# Altium PCB relflow_bed.PcbDoc (continued)
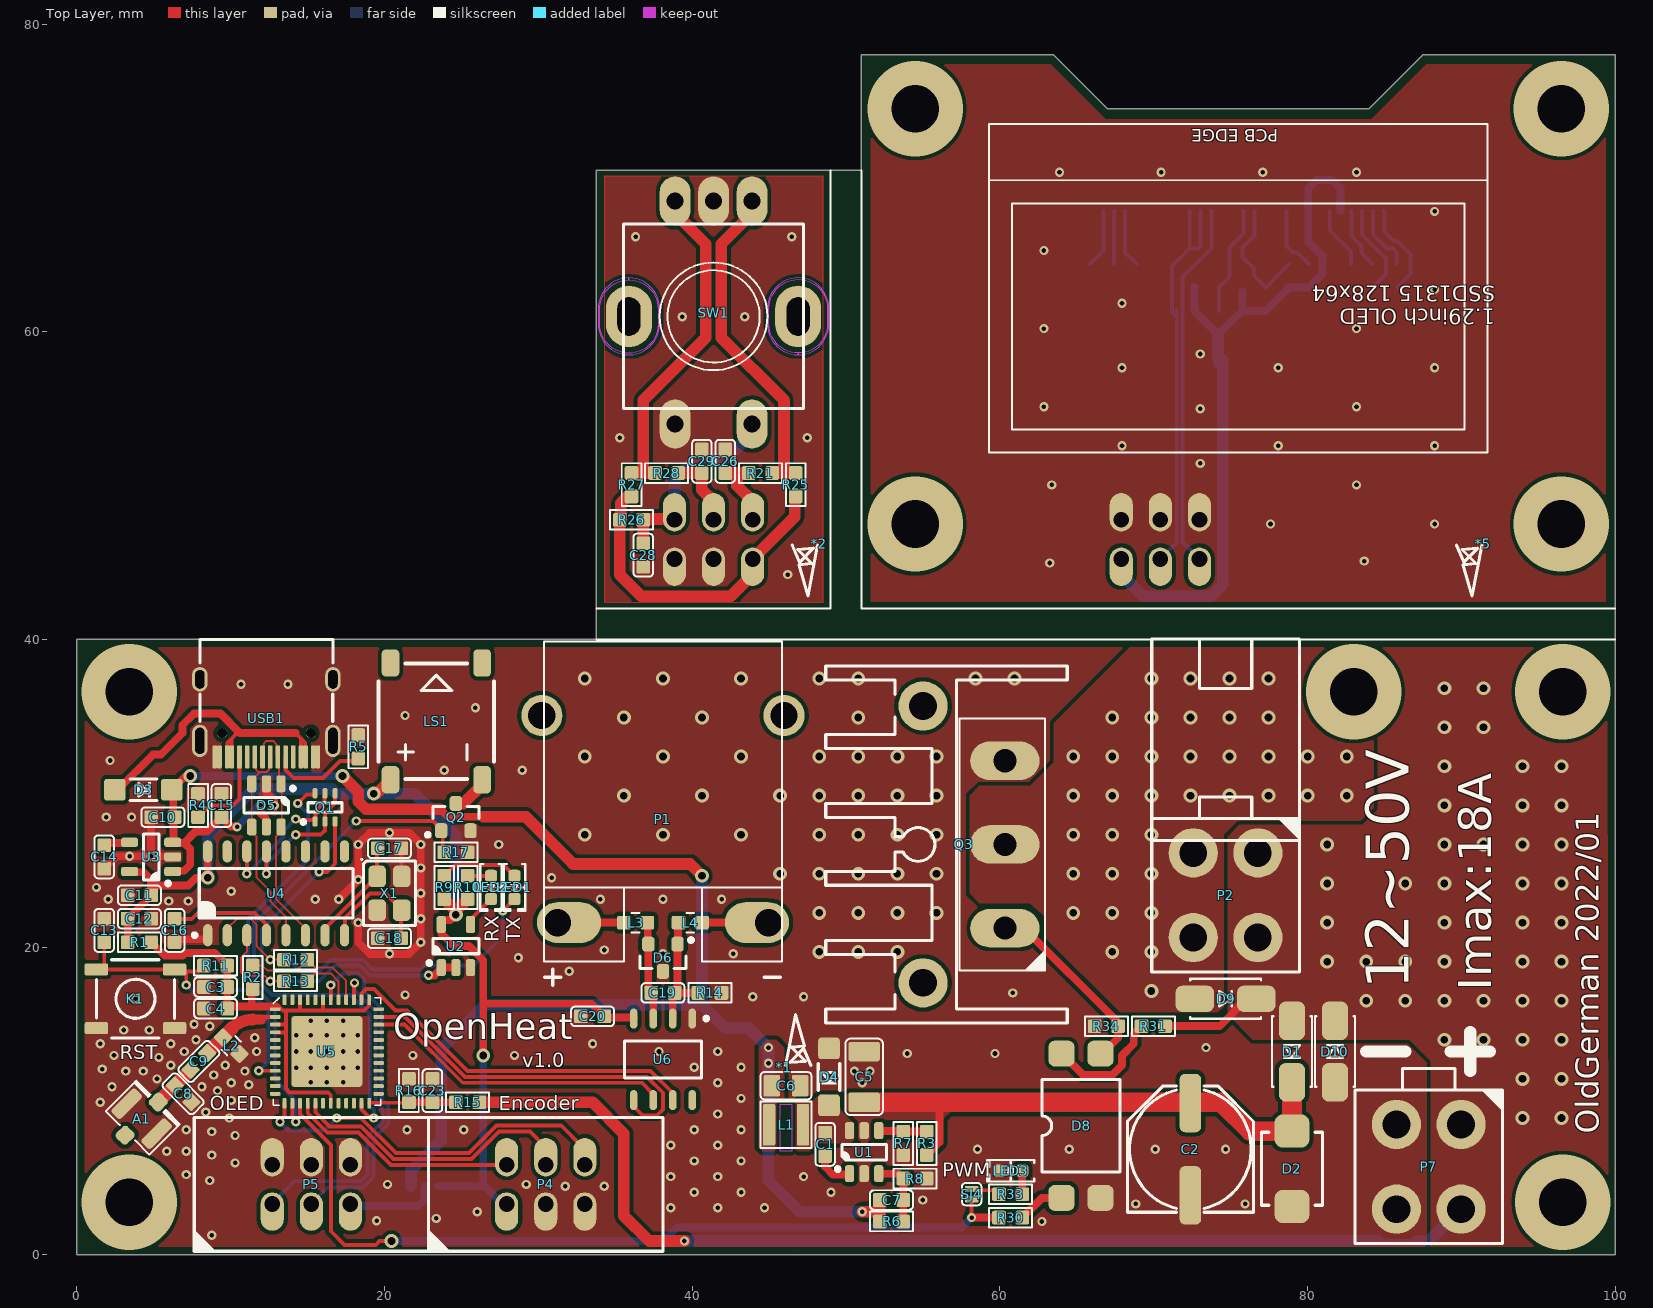
[diagram p0: Top Layer view]
## Footprints (in the part's own frame and the unit in brackets; to place one, negate y for a bottom-side part, rotate by r counter-clockwise, add the part's x,y. Pads: shape width x height; smd on the part's side, far side on the other; paste and mask are expansions set on the pad) (continued)
SMAF [mm]
  rrect50% 2.5x1.7 smd: 1(2,0) 2(-2,0)
  silkscreen extent -2.3,-1.3 2.3,1.3, body extent -2.6,-1.35 2.6,1.4, height 2.4
SO-8 [mm]
  oval 1.3x0.5 smd: 1(-2.65,1.905) 2(-2.65,0.635) 3(-2.65,-0.635) 4(-2.65,-1.905) 5(2.65,-1.905) 6(2.65,-0.635) 7(2.65,0.635) 8(2.65,1.905)
  silkscreen extent -2.77,-2.5 1.2,2.93, body extent -2.89,-2.44 2.89,2.46, height 1.45
SOD-123 [mm]
  rrect25% 1.4x1.4 smd: 1(-1.85,0) 2(1.85,0)
  silkscreen extent -0.87,-0.7 0.87,0.7, body extent -1.86,-0.78 1.86,0.77, height 1.35
SOD-323 [mm]
  rrect25% 0.9x0.8 smd: 1(-1.15,0) 2(1.15,0)
  silkscreen extent -1,-0.7 1,0.7, body extent -1.36,-0.62 1.36,0.63, height 1.05
TACTILE_SWITCH_SMD_4X4MM [mil]
  rrect25% 60x30 smd: 1(-100,75) 2(100,75) 3(-100,-75) 4(100,-75)
  silkscreen extent -100,-100 100,100, body extent -128,-100 128,100, height 60
"TI SOP-16 D" [mm] "SOP, 16-Leads, Body 9.90x3.90mm, Pitch 1.27mm, IPC Medium Density"
  oval 1.45x0.6 smd: 1(-2.725,4.445) 2(-2.725,3.175) 3(-2.725,1.905) 4(-2.725,0.635) 5(-2.725,-0.635) 6(-2.725,-1.905) 7(-2.725,-3.175) 8(-2.725,-4.445) 9(2.725,-4.445) 10(2.725,-3.175) 11(2.725,-1.905) 12(2.725,-0.635) 13(2.725,0.635) 14(2.725,1.905) 15(2.725,3.175) 16(2.725,4.445)
  silkscreen extent -2.85,-5 1.6,5.42, body extent -3,-5 3,5, height 1.75
TO-247AC+HEAT_SINK-TO220 [mm]
  oval 2.5x4.5 hole 1.5: D(0,-2.94) G(-5.44,-2.94) S(5.44,-2.94)
  round 3.2 hole 1.8: NC(9,2.375) NC_1(-9,2.375)
  silkscreen extent -11.6,-7 11.6,8.7, body extent -11.6,-7 11.6,8.7, height 25.27
TYPE-C-TOP [mm]
  round 0.65 hole 0.65: 0(-6.1,-2.89) 0_1(-6.1,2.89)
  oval 1.6x1 hole 0.6 slot 1.2 at 0 deg: 1(-2.6,4.325) 2(-2.6,-4.325)
  oval 2.1x1 hole 0.6 slot 1.7 at 0 deg: 3(-6.6,-4.325) 4(-6.6,4.325)
  rrect50% 1.5x0.3 smd: A1(-7.64,-3.35) A4(-7.64,-2.55) A5(-7.64,-1.25) A6(-7.64,-0.25) A7(-7.64,0.25) A8(-7.64,1.25) A9(-7.64,2.55) A12(-7.64,3.35) B1(-7.64,3.05) B4(-7.64,2.25) B5(-7.64,1.75) B6(-7.64,0.75) B7(-7.64,-0.75) B8(-7.64,-1.75) B9(-7.64,-2.25) B12(-7.64,-3.05)
  silkscreen extent -5.34,-4.33 0,4.33, body extent -7.69,-4.48 0.06,4.48, height 3.26
UG-2864HSWEG01_1.29_SSD1315_BUTTOM [mm]
  rect 0.35x2.2 smd far side: 1(-10.15,-6.85) 2(-9.45,-6.85) 3(-8.75,-6.85) 4(-8.05,-6.85) 5(-7.35,-6.85) 6(-6.65,-6.85) 7(-5.95,-6.85) 8(-5.25,-6.85) 9(-4.55,-6.85) 10(-3.85,-6.85) 11(-3.15,-6.85) 12(-2.45,-6.85) 13(-1.75,-6.85) 14(-1.05,-6.85) 15(-0.35,-6.85) 16(0.35,-6.85) 17(1.05,-6.85) 18(1.75,-6.85) 19(2.45,-6.85) 20(3.15,-6.85) 21(3.85,-6.85) 22(4.55,-6.85) 23(5.25,-6.85) 24(5.95,-6.85) 25(6.65,-6.85) 26(7.35,-6.85) 27(8.05,-6.85) 28(8.75,-6.85) 29(9.45,-6.85) 30(10.15,-6.85)
  round 0.8 smd far side: MARK1(-8,-11.1) MARK2(8,-11.1)
  silkscreen extent -16.21,-12.51 16.21,8.85, body extent -16.21,-15.29 16.21,8.9, height 1.51
简易牛角座直插_2X3P [mm]
  oval 1.5x2.5 hole 1.02 copper offset 0,-0.5: 1(-2.54,-1.27) 2(0,-1.27) 3(2.54,-1.27)
  oval 1.5x2.5 hole 1.02 copper offset 0,0.5: 4(-2.54,1.27) 5(0,1.27) 6(2.54,1.27)
  silkscreen extent -7.61,-4.35 7.61,4.35, body extent -7.71,-4.4 7.71,4.4, height 9

## Part data
C1 C3 C4 C5 C6 C7 C8 C9 C10 C11 C12 C13 C14 C15 C16 C17 C18 C19 C20 C21 C22 C23 C24 C25 C26 C27 C28 C29 C30 C31: library part CAP, "Capacitor"
C2: library part CAP_Polar, "Capacitor"
D1 D3 D4 D7 D9 D10: library part DIODE
D5: "Very low capacitance ESD protection"
D8: library part Optoisolator
K1: library part ButtonTACT, "Button"
L1: library part Inductor
L2 L3 L4: library part FUSE
Q1: "NPN型带阻双三极管 / NPN+NPN, SOT-363, Dual Digital Transistor (Bias Resistor Built-in Transistor)", ComponentLink1Description=Datasheet, ComponentLink1URL=https://fscdn.rohm.com/en/products/databook/datasheet/discrete/transistor/digital/umh3ntn-e.pdf
Q2 Q3: library part N-MOS, "N-MOS"
R1 R2 R3 R4 R5 R6 R7 R8 R9 R10 R11 R12 R13 R14 R15 R16 R17 R18 R19 R20 R21 R22 R23 R24 R25 R26 R27 R28 R29 R30 R31 R32 R33 R34: library part RES, "Resistor"
U1: "DC-DC"
U2: "Single 2-input AND gate / 1.8~3.3V logic"
U3: library part LP2992, "LDO"
U4: "丐中丐，需要外接12M晶振"
U5: library part ESP32-PICO
U6: "IC THERMOCOUP TO DGTL 8-SOIC", Digikey Part Number=MAX6675ISA+-ND, Manufacturer="Maxim Electronics", max_supply_voltage_dc=5.50V, Mfg Package Ident=21-0041, Mouser Part Number=700-MAX6675ISA, Octopart Part Number=33bcfab92ad8ec7b, PART NUMBER=MAX6675ISA+, supply_current="0.70 mA", Temperature="-20°C to +85?", Temperature Range High=+85°C, Temperature Range Low=-20°C, Category 2Fc5E2Cf1B85F402="Interface ICs", Category 3B3Df6370Ab4E0Fa="Temperature Sensor ICs", Category 3Cb8F1B20D37E77F="Sensors (Acceleration, Pressure, ...)", Category 6B95A69F5F75B052="Sensors and Accessories", Category 8A76477Cb9Bd51B1="Temperature Control and Regulation", Category 9E07530Daf1645C0="Semiconductors and Actives", Category 20B3Edb914A9Fb74=Uncategorized, Category 84F649Fcb0Ed5F31=Uncategorized, Category C33B0E31F09B18Fc="Temperature Sensor ICs", Category D46C1966E09E0Fab=Temperature, Category Db391633E8F300Fe="Industrial Control", Category E95E2454Daf93299="Temperature Sensing/Measurement", ComponentLink1Description=Upverter, ComponentLink1URL=https://upverter.com/upn/revision/df8f98e99e77f28c/, ComponentLink2Description=Datasheet, ComponentLink2URL=https://upverter.com/datasheet/328f41e80cd5fba93d602566d8324382201f26da.pdf, Digikey Description="IC THERMOCOUP TO DGTL 8-SOIC", helpURL=https://upverter.com/upn/revision/df8f98e99e77f28c/, Ipc Land Pattern Name=SOIC127P600X155-8, Lead Free=yes, Mounting Type="surface mount", Num Pins=8, Package=21-0041, RoHS=TRUE, Supplier 1=Digi-Key, Supplier 2=Mouser, Supplier Part Number 1=MAX6675ISA+-ND, Supplier Part Number 2=700-MAX6675ISA, Symbol 0 0=Standard, Type="integrated circuit"
U7: "显示屏"
USB1: library part USB-Type-C-24P
X1: library part XTAL-4P, "4脚无源晶振"

## Via types
v1: diameter 0.6, hole 0.3, Top Layer to Bottom Layer, tented both sides, 191 vias
v2: diameter 0.9, hole 0.5, Top Layer to Bottom Layer, tented both sides, 132 vias
v3: diameter 0.6, hole 0.3, Top Layer to Bottom Layer, 21 vias
v4: diameter 6.2, hole 3.1, Top Layer to Bottom Layer, 9 vias

## Nets (pads, with @x,y where several pads share a name; then routed paths per layer and width w, separated by ;. In a path a pad name is that pad's centre, name@x,y a point inside that pad or via, vN(x,y) a via of type N, cw(c..) or ccw(c..) an arc to the next point about the centre after c; other vN are vias at no path point)
3V3A: C3.2 C4.2 R1.2 R2.2 R11.1 U5.1 U5.3 U5.4 U5.19 U5.37 U5.43 U5.46 | length 31.8
  Top Layer w0.254: 12.319,16.256 12.999,16.256 13.38,15.875 13.589,15.875 ; U5.4 12.895,14.456 13.484,14.456 13.589,14.351 ; U5.3 12.895,14.96 13.436,14.96 13.589,15.113 ; U5.46 14.504,16.569 14.504,15.901 14.478,15.875 ; U5.43 16.004,16.569 16.004,15.877 16.002,15.875 ; U5.19 16.504,9.847 16.504,10.383 16.337,10.55 13.834,10.55 13.589,10.795 13.589,14.351 ; U5.37 19.004,16.569 19.004,16.21 18.669,15.875 16.002,15.875 ; 13.589,14.351 13.589,15.113 ; 13.589,15.113 13.589,15.875 ; 13.589,15.875 14.478,15.875 ; 14.478,15.875 16.002,15.875
  Top Layer w0.508: R1.2 5.715,19.431 6.858,19.431 7.048,19.621 8.954,19.621 R11.1 C3.2 C4.2 9.906,16.129 11.367,16.129 ; R2.2 11.367,17.209 11.367,16.129 ; 12.827,16.129 11.367,16.129
5V: C6.2 C7.2 C10.2 C15.2 D3.2 D5.5 L1.2 R6.1 SJ3.1 U3.1 U3.3 | length 112.7
  Top Layer w0.508: U3.1 6.272,24.958 6.97,24.958 7.366,25.354 7.366,26.37 6.97,26.766 ; v2@7.039,31.097 D3.2 6.259,30.135 6.259,28.539 C10.2 6.288,28.386 6.288,26.858 6.242,26.812 U3.3 6.272,26.766 6.97,26.766 ; v1(10.414,27.813) 10.396,27.831 10.015,27.831 C15.2 8.462,27.512 7.716,27.512 6.97,26.766 ; v1(11.938,29.21) 11.938,28.706 12.273,28.371 12.273,27.856 D5.5 ; 23.622,28.956 24.112,28.466 26.416,28.466
  Top Layer w0.762: v2(17.272,31.115) 18.288,30.099 18.288,29.464 18.796,28.956 23.622,28.956 ; 26.416,28.466 29.192,28.466 32.258,25.4 39.878,25.4 v2(40.64,24.638) ; v1(51.054,2.794) 52.133,2.794 ; R6.1 C7.2
  Bottom Layer w0.508: v2(7.366,31.115) v2(17.272,31.115) ; v1(10.414,27.813) 11.793,29.192 11.92,29.192 v1(11.938,29.21)
  Bottom Layer w0.762: SJ3.1 21.717,5.461 23.685,7.429 23.685,13.399 26.543,16.256 40.64,16.256 ; v2(40.64,24.638) 40.64,16.256 ; v1(51.054,2.794) 46.99,2.794 44.958,4.826 v1(44.958,12.446) v1(44.958,13.462) 43.688,14.732 42.164,14.732 40.64,16.256
BED_IN: D9.1 P2.1 P2.3 Q3.D
  other v2: 69.85,17.145 67.31,19.685 69.85,19.685 64.77,22.225 67.31,22.225 69.85,22.225 64.77,24.765 67.31,24.765 69.85,24.765 64.77,27.305 67.31,27.305 69.85,27.305 64.77,29.845 67.31,29.845 69.85,29.845 72.39,29.845 74.93,29.845 77.47,29.845 80.01,29.845 82.55,29.845 64.77,32.385 67.31,32.385 69.85,32.385 72.39,32.385 74.93,32.385 77.47,32.385 80.01,32.385 82.55,32.385 67.31,34.925 69.85,34.925 72.39,34.925 74.93,34.925 77.47,34.925 69.85,37.465 72.39,37.465 74.93,37.465 77.47,37.465
BS1: R32.2 U7.11 | length 4.2
  Bottom Layer w0.254: U7.11 78.65,65.586 79.072,65.164 79.326,65.164 R32.2
BUZZ: Q2.G R17.2 U5.14 | length 32.1
  Top Layer w0.254: U5.14 14.006,8.948 14.224,8.73 v1(14.224,8.636) ; v1@18.148,28.181 v1(18.161,28.194) 23.142,28.194 23.688,27.648 Q2.G 23.782,27.469 23.782,26.256 R17.2
  Bottom Layer w0.254: v1(14.224,8.636) 14.224,10.033 12.873,11.384 12.873,16.083 11.511,17.445 11.511,21.544 v1(18.161,28.194) v1@18.161,28.169
CP_Rx: R2.1 R12.1 U5.40 | length 8.3
  Top Layer w0.127: R2.1 12.065,18.796 12.395,18.466 14.275,18.466 R12.1 15.494,18.669 16.637,18.669 17.506,17.8 U5.40
CP_Tx: R13.1 U5.41 | length 3.7
  Top Layer w0.127: R13.1 15.494,18.288 16.51,18.288 17.006,17.792 U5.41
CS: U5.34 U6.6 | length 20.1
  Top Layer w0.254: U5.34 21.302,14.958 25.084,11.176 36.739,11.176 37.465,10.45 U6.6
DTR: Q1.2 Q1.4 U4.13 | length 9.4
  Top Layer w0.254: v1(12.319,24.765) U4.13 ; v1(14.224,27.305) 15.855,27.305 16.129,27.579 Q1.2 ; Q1.2@16.129,28.29 16.129,28.702 16.779,29.352 Q1.4
  Bottom Layer w0.254: v1(12.319,24.765) 12.319,25.4 v1(14.224,27.305)
EC_A: C26.2 P3.4 P4.4 R21.1 U5.16 | length 20
  Top Layer w0.254: U5.16 15.008,9.844 15.008,9.218 16.276,7.95 18.308,7.95 20.416,5.842 P4.4
  Top Layer w0.762: C26.2 42.914,50.818 ; R21.1 42.914,50.818 ; P3.4 43.93,48.97 42.914,49.986 42.914,50.818
EC_B: C29.2 P3.5 P4.5 R28.2 U5.17 | length 24
  Top Layer w0.254: U5.17 15.506,9.259 16.434,8.331 18.466,8.331 20.574,6.223 25.654,6.223 27.432,8.001 29.464,8.001 30.48,6.985 P4.5
  Top Layer w0.762: R28.2 C29.2 40.628,49.732 41.39,48.97 P3.5
EC_KEY: C28.2 P3.6 P4.6 R26.1 SW1.5 U5.13 | length 38.2
  Top Layer w0.254: v1(13.208,8.636) 13.208,8.73 13.506,9.028 U5.13 ; v1(16.891,8.89) 18.456,8.89 20.735,6.611 25.504,6.611 27.282,8.389 31.489,8.389 32.782,7.096 32.782,6.08 P4.6
  Top Layer w0.762: C28.2 R26.1 36.881,47.834 38.786,47.834 P3.6
  Bottom Layer w0.254: v1(13.208,8.636) 13.762,8.082 16.083,8.082 v1(16.891,8.89)
  Bottom Layer w0.762: P3.6 38.85,50.407 40.132,51.689 42.164,51.689 43.89,53.415 SW1.5
ESP_EN: C13.1 K1.3 K1.4 Q1.6 R11.2 U5.9 | length 37
  Top Layer w0.254: C13.1 1.778,18.796 1.524,18.542 K1.3 K1.3@6.604,18.542 ; v1(7.112,17.526) 7.112,18.288 6.858,18.542 K1.3@6.604,18.542 ; R11.2 7.874,18.415 7.112,18.415 6.858,18.669 6.731,18.669 K1.3@6.604,18.542 ; v1(11.829,11.956) 12.892,11.956 U5.9 ; v1(14.351,29.337) 14.941,29.927 15.456,29.927 15.479,29.95 Q1.6
  Bottom Layer w0.254: v1(7.112,17.526) 7.447,17.191 11.13,17.191 ; v1(11.829,11.956) 12.446,12.573 12.446,15.875 11.13,17.191 ; v1(14.351,29.337) 15.032,28.656 15.032,25.7 11.13,21.798 11.13,17.191
FLASH_CLK: U5.31
FLASH_CS: U5.25
FLASH_SD0: U5.27
FLASH_SD1: U5.33
FLASH_SD2: U5.30
FLASH_SD3: U5.32
GND: A1.2 A1.3 C2.2 C3.1 C4.1 C5.2 C6.1 C8.2 C10.1 C11.1 C12.1 C13.2 C14.1 C15.1 C16.1 C17.1 C18.1 C20.2 C23.1 C24.1 C25.1 C26.1 C27.1 C28.1 C29.1 C30.2 C31.2 D2.1 D4.1 D5.2 D6.3 D8.2 D10.1 K1.1 K1.2 L2.2 LED3.2 P3.2 P3.3 P4.2 P4.3 P5.4 P5.5 P5.6 P6.4 P6.5 P6.6 P7.2 P7.4 Q2.S Q3.S R4.1 R5.2 R7.2 R8.1 R14.2 R16.2 R17.1 R18.2 R24.1 R29.1 R34.1 SW1.2 SW1.4 U1.2 U2.3 U3.2 U4.1 U5.49 U5.49_1 U6.1 U7.1 U7.8 U7.10 U7.12 U7.13 U7.16 U7.17 U7.21 U7.22 U7.23 U7.24 U7.25 U7.29 U7.30 USB1.1 USB1.2 USB1.3 USB1.4 USB1.A1 USB1.A12 USB1.B1 USB1.B12 X1.2 X1.4 | length 34.4
  Top Layer w0.254: C17.1 21.101,26.397 21.101,24.614 X1.4
  Top Layer w0.508: C14.1 2.586,25.908 v1(4.826,25.908) ; C10.1 4.826,26.208 v1(4.826,25.908) ; U3.2 6.18,25.908 v1(4.826,25.908) ; C16.1 6.54,20.511 8.467,20.511 8.509,20.553 U4.1 ; D5.2 12.365,30.564 12.365,29.951 12.827,29.489 v1(12.827,29.21) ; v1(17.018,23.114) v1(18.288,24.384) v1(18.288,26.67) 18.301,26.67 19.063,27.432 v1(20.32,27.432) 21.59,27.432 v1(22.352,26.67) v1(22.352,20.32) 21.59,19.558 v1(20.32,19.558) 19.05,19.558 18.288,20.32 v1(18.288,21.59)
  other v1: 8.763,1.27 62.738,2.159 19.482,2.21 23.368,2.362 26.035,2.794 38.608,3.048 41.656,3.048 44.704,3.048 68.834,3.302 75.946,3.302 54.991,3.556 40.132,4.064 43.18,4.064 49.022,4.064 31.75,4.445 34.29,4.445 20.193,4.572 29.21,4.572 8.636,4.826 38.608,5.08 41.656,5.08 47.244,5.08 7.112,5.207 10.287,5.969 40.132,6.096 43.18,6.096 8.763,6.477 5.842,6.731 7.112,6.731 58.547,6.858 64.516,6.858 70.104,6.858 74.676,6.858 38.608,7.112 41.656,7.112 10.287,7.747 8.763,8.001 7.112,8.128 21.463,8.128 25.146,8.128 40.132,8.128 43.18,8.128 9.906,8.89 41.656,9.144 8.382,9.271 1.524,9.906 10.033,10.033 43.18,10.16 9.144,10.668 2.286,10.922 8.128,10.922 11.176,11.049 10.033,11.176 41.656,11.176 51.054,11.176 5.207,11.43 8.89,11.684 3.175,11.938 4.318,11.938 10.922,11.938 50.546,11.938 51.562,11.938 1.651,12.065 40.132,12.192 43.18,12.192 6.096,12.319 9.652,12.319 5.334,12.827 2.413,12.954 21.844,12.954 28.448,12.954 53.975,13.081 59.69,13.081 6.985,13.208 11.684,13.208 37.846,13.208 41.656,13.208 73.406,13.462 1.524,13.716 6.096,13.716 33.528,13.716 7.747,13.97 11.557,14.097 3.048,14.605 4.699,14.605 8.636,14.859 7.62,14.986 3.81,16.637 43.942,16.764 47.244,16.764 21.336,16.891 60.833,17.018 32.004,18.42 28.702,19.309 38.1,19.558 42.672,19.558 34.29,19.812 22.352,21.844 5.969,22.987 7.239,22.987 2.032,23.114 15.494,23.114 34.036,23.114 38.1,23.114 41.91,23.114 22.352,23.495 10.033,23.622 1.27,23.876 30.861,24.511 22.352,25.146 3.429,25.908 27.432,26.67 1.905,28.448 3.556,28.448 23.876,31.496 28.956,31.496 2.159,32.131 21.336,35.052 25.908,35.56 10.668,37.084 13.716,37.084 46.216,44.214 63.246,44.966 83.693,45.093 77.597,47.506 88.265,47.506 63.373,50.046 83.185,50.046 73.025,51.443 67.945,52.586 78.105,52.586 88.265,52.586 35.294,53.104 47.486,53.104 73.025,54.999 62.865,55.126 83.185,55.126 67.945,57.666 78.105,57.666 88.265,57.666 73.025,58.555 62.865,60.206 83.185,60.206 39.358,60.978 43.422,60.978 67.945,61.857 88.265,62.746 62.865,65.286 36.32,66.18 46.48,66.18 88.265,67.826 63.881,70.366 70.485,70.366 77.089,70.366 83.185,70.366
  other v2: 48.26,19.685 50.8,19.685 53.34,19.685 48.26,22.225 50.8,22.225 53.34,22.225 55.88,22.225 45.72,24.765 48.26,24.765 50.8,24.765 53.34,24.765 55.88,24.765 33.02,27.305 38.1,27.305 43.18,27.305 48.26,27.305 50.8,27.305 53.34,27.305 55.88,27.305 35.56,29.845 40.64,29.845 45.72,29.845 48.26,29.845 50.8,29.845 53.34,29.845 55.88,29.845 33.02,32.385 38.1,32.385 43.18,32.385 48.26,32.385 50.8,32.385 53.34,32.385 55.88,32.385 35.56,34.925 40.64,34.925 50.8,34.925 33.02,37.465 38.1,37.465 43.18,37.465 48.26,37.465 50.8,37.465 58.42,37.465 60.96,37.465
  other v3: 15.206,11.208 16.256,11.208 17.306,11.208 14.256,12.158 15.206,12.158 16.256,12.158 17.306,12.158 18.256,12.158 14.256,13.208 15.206,13.208 16.256,13.208 17.306,13.208 18.256,13.208 14.256,14.258 15.206,14.258 16.256,14.258 17.306,14.258 18.256,14.258 15.206,15.208 16.256,15.208 17.306,15.208
GPIO0: Q1.3 U5.23 | length 29
  Top Layer w0.254: v1(15.748,24.892) 16.256,24.892 16.779,25.415 Q1.3 ; U5.23 18.506,9.434 19.05,8.89 v1(19.304,8.89)
  Bottom Layer w0.254: v1(15.748,24.892) 12.019,21.163 12.019,17.551 12.679,16.891 17.78,16.891 19.05,15.621 19.05,9.652 19.304,9.398 v1(19.304,8.89)
GPIO2: U5.22
GPIO4: C23.2 R15.2 R16.1 U5.24 | length 5.7
  Top Layer w0.254: U5.24 19.006,9.874 19.008,9.876 21.56,9.876 R16.1
  Top Layer w0.508: R16.1 C23.2 R15.2
GPIO9: U5.28
GPIO10: U5.29
GPIO12: U5.18
GPIO13: U5.20
GPIO15: U5.21
GPIO18: U5.35 U6.5 | length 24.3
  Top Layer w0.254: U5.35 21.341,15.458 25.242,11.557 37.071,11.557 38.1,10.528 38.1,9.449 37.719,9.068 36.777,9.068 36.195,9.65 U6.5
GPIO19: U5.38 U6.7 | length 24
  Top Layer w0.254: U5.38 18.508,16.572 18.508,16.984 18.796,17.272 19.304,17.272 20.712,15.864 21.474,15.864 25.4,11.938 37.3,11.938 38.735,10.503 U6.7
GPIO21: P5.2 P6.2 R22.2 U5.42 U7.19 U7.20 | length 49.5
  Top Layer w0.254: U5.42 16.508,16.572 16.508,17.524 v1(16.51,17.526)
  Bottom Layer w0.254: P5.2@15.228,3.32 16.277,4.369 18.594,4.369 19.292,5.067 19.292,7.556 20.239,8.503 20.239,9.668 19.812,10.095 19.812,16.002 18.669,17.145 18.669,17.907 18.288,18.288 17.272,18.288 v1(16.51,17.526) ; P6.2 71.503,46.297 R22.2@71.503,60.948 ; R22.2@71.503,61.456 R22.2@71.503,60.948 ; U7.20 72.35,65.427 ; U7.19 73.05,65.619 72.849,65.418 72.359,65.418 72.35,65.427 ; R22.2@71.503,60.948 71.198,61.252 71.198,64.275 72.35,65.427
GPIO22: P5.1 P6.1 R23.2 U5.39 U7.18 | length 45.6
  Top Layer w0.254: U5.39 18.008,16.572 18.008,17.627 v1(18.05,17.669)
  Bottom Layer w0.254: P5.1@12.688,3.32 14.143,4.775 18.461,4.775 18.898,5.212 18.898,7.7 19.858,8.661 19.858,9.51 19.431,9.937 19.431,15.799 18.05,17.18 v1(18.05,17.669) ; P6.1 71.884,46.322 71.884,63.564 73.75,65.43 U7.18
GPIO23: U5.36
GPIO26: R30.2 SJ4.1 U5.15 | length 54.9
  Top Layer w0.254: U5.15 14.508,9.844 14.508,9.135 16.51,7.133 16.51,1.524 17.399,0.635 19.431,0.635 19.685,0.889 v2(20.447,0.889) ; v1(58.166,2.413) SJ4.1
  Top Layer w0.508: v1(58.166,2.413) R30.2
  Bottom Layer w0.508: v2(20.447,0.889) 38.141,0.889 39.03,1.778 57.531,1.778 v1(58.166,2.413)
GPIO32: U5.12
GPIO34: U5.10
GPIO35: U5.11
GPIO37: U5.6
GPIO38: U5.7
NetA1_1: A1.1 C8.1 C9.1 | length 2.8
  Top Layer w0.889: A1.1 6.367,11 C9.1@7.265,11.898
NetC1_1: C1.1 D4.2 L1.1 U1.6
NetC1_2: C1.2 U1.1 | length 2.5
  Top Layer w0.508: C1.2 48.641,5.715 49.149,5.207 50.185,5.207 50.231,5.253 U1.1
NetC7_1: C7.1 R6.2 R8.2 U1.3 | length 4.5
  Top Layer w0.508: U1.3 53.406,5.268 R8.2 R6.2
NetC9_2: C9.2 L2.1 U5.2 | length 5.3
  Top Layer w0.254: 11.938,15.286 12.108,15.456 12.892,15.456 U5.2
  Top Layer w0.635: 11.43,15.286 11.938,15.286
  Top Layer w0.762: 10.103,14.736 cw(c11.43,13.409) 11.43,15.286
  Top Layer w0.889: C9.2 L2.1 10.102,14.736
NetC14_2: C14.2 U3.4 | length 1.7
  Top Layer w0.508: C14.2 1.92,26.766 3.38,26.766 U3.4
NetC16_2: C16.2 U4.4 | length 7.1
  Top Layer w0.254: C16.2@6.374,21.82 7.469,21.82 7.874,22.225 11.557,22.225 12.319,21.463 U4.4
NetC17_2: C17.2 U4.7 X1.1 | length 7.1
  Top Layer w0.254: U4.7 16.129,21.204 X1.1 19.52,26.378 C17.2
NetC18_2: C18.2 U4.8 X1.3 | length 7.8
  Top Layer w0.254: U4.8 17.431,20.802 17.431,21.876 19.05,23.495 20.066,23.495 21.082,22.479 C18.2
NetC21_1: C21.1 U7.2 | length 6.2
  Bottom Layer w0.254: U7.2 84.998,67.802 84.998,66.477 85.549,65.926 85.803,65.926 86.692,65.037 86.692,63.767 C21.1
NetC21_2: C21.2 U7.3 | length 4.3
  Bottom Layer w0.254: U7.3 84.25,66.336 85.168,65.418 85.549,65.418 85.803,65.164 C21.2
NetC22_1: C22.1 U7.4 | length 6
  Bottom Layer w0.254: U7.4 83.55,66.305 85.098,64.758 85.098,63.744 C22.1
NetC22_2: C22.2 U7.5 | length 4
  Bottom Layer w0.254: U7.5 82.85,66.212 83.517,65.545 83.517,65.116 C22.2
NetC30_1: C30.1 U7.27 | length 3.5
  Bottom Layer w0.254: C30.1 67.419,64.433 67.419,67.819 U7.27
NetC31_1: C31.1 U7.28 | length 3.8
  Bottom Layer w0.254: C31.1 66.75,65.288 U7.28
NetD8_1: D8.1 R30.1 | length 3.1
  Top Layer w0.508: R30.1 62.744,3.689 D8.1
NetD8_3: D8.3 Q3.G R34.2 | length 12.4
  Top Layer w0.508: Q3.G 61.574,21.23 67.691,15.113 R34.2 67.691,14.097 D8.3@66.675,13.081
NetD8_4: D8.4 R31.2 | length 7.8
  Top Layer w0.508: D8.4 64.023,13.075 65.413,11.684 67.31,11.684 67.945,12.319 67.945,12.954 68.707,13.716 68.707,14.351 R31.2
NetL3_1: L3.1 P1.+ | length 4.3
  Top Layer w0.508: P1.+ L3.1
NetL4_1: L4.1 P1.- | length 4.3
  Top Layer w0.508: L4.1 P1.-
NetLED1_1: LED1.1 R9.2 | length 5.2
  Top Layer w0.254: R9.2 24.575,25.336 27.738,25.336 LED1.1
NetLED1_2: LED1.2 SJ1.1 | length 18.4
  Top Layer w0.254: v1(27.686,22.352) 27.686,22.358 28.448,23.12 LED1.2
  Bottom Layer w0.254: SJ1.1 14.046,18.936 14.694,18.288 15.621,18.288 16.51,19.177 18.595,19.177 19.23,18.542 22.352,18.542 22.606,18.796 25.781,18.796 27.686,20.701 v1(27.686,22.352)
NetLED2_1: LED2.1 R10.2 | length 1.5
  Top Layer w0.254: R10.2 25.406,24.632 26.918,24.632 LED2.1
NetLED2_2: LED2.2 U2.4 | length 2.2
  Top Layer w0.254: U2.4 25.747,21.625 25.747,21.949 LED2.2
NetLED3_1: LED3.1 R33.2 | length 1.5
  Top Layer w0.508: LED3.1 61.462,5.455 61.462,3.943 R33.2
NetLS1_2: LS1.2 Q2.D | length 2.5
  Top Layer w0.762: Q2.D 25.12,29.333 26.348,30.561 LS1.2
NetR3_2: R3.2 R7.1 U1.4 | length 3.1
  Top Layer w0.508: U1.4 52.164,8.034 53.688,8.034 R7.1 R3.2
NetR4_2: R4.2 USB1.B5 | length 5.9
  Top Layer w0.254: R4.2 8.636,29.21 10.16,29.21 10.569,29.619 USB1.B5
NetR5_1: R5.1 USB1.A5 | length 6.3
  Top Layer w0.254: USB1.A5 13.569,31.516 14.097,30.988 16.002,30.988 17.115,32.101 18.131,32.101 R5.1
NetR12_2: R12.2 SJ1.2 U4.2 | length 7.2
  Top Layer w0.127: U4.2@9.779,20.701 9.779,21.209 10.414,21.844 11.303,21.844 11.684,21.463 11.684,20.066 v1(12.573,19.177) R12.2
  Bottom Layer w0.254: v1(12.573,19.177) SJ1.2
NetR13_2: R13.2 SJ2.2 U4.3 | length 6.3
  Top Layer w0.127: U4.3@11.049,20.701 11.049,19.685 10.668,19.304 10.668,18.365 10.923,18.11 12.243,18.11 v1(12.573,17.78) R13.2
  Bottom Layer w0.254: v1(12.573,17.78) SJ2.2
NetR18_1: R18.1 U7.7 | length 4
  Bottom Layer w0.254: U7.7 81.45,66.596 82.834,65.212 R18.1
NetR21_2: R21.2 R25.1 SW1.1 | length 21.7
  Top Layer w0.762: SW1.1 43.89,67.698 41.898,65.706 41.898,59.61 45.972,55.536 45.972,50.828 45.962,50.818 ; R21.2 45.962,50.818 ; R25.1 45.962,50.818
NetR27_1: R27.1 R28.1 SW1.3 | length 21.7
  Top Layer w0.762: R27.1 36.818,50.818 ; R28.1 36.818,50.818 ; SW1.3 38.89,67.698 40.882,65.706 40.882,59.61 36.828,55.556 36.828,50.828 36.818,50.818
NetR29_2: R29.2 U7.26 | length 3.8
  Bottom Layer w0.254: U7.26 68.15,65.164 R29.2
NetR33_1: R33.1 SJ4.2 | length 1.9
  Top Layer w0.254: SJ4.2 58.242,4.191 59.69,4.191 R33.1
NetSJ2_1: SJ2.1 U2.1 U2.2 | length 11.5
  Top Layer w0.508: v1(22.86,18.161) 23.241,18.161 23.749,18.669 U2.2@24.638,18.669
  Bottom Layer w0.254: SJ2.1 15.748,17.78 16.764,18.796 18.427,18.796 19.062,18.161 v1(22.86,18.161)
OLED_DC: R19.1 R24.2 U7.15 | length 7.2
  Bottom Layer w0.254: R19.1 R24.2 74.945,63.577 74.945,65.481 75.85,66.387 U7.15
OLED_RST: C27.2 D7.1 R20.1 U7.14 | length 8.1
  Bottom Layer w0.254: U7.14 76.55,66.255 75.77,65.475 D7.1 75.77,64.867 76.532,64.105 76.532,63.64 C27.2 R20.1@78.818,64.402
RTS: Q1.1 Q1.5 U4.14 | length 9.7
  Top Layer w0.254: v1(11.049,24.765) U4.14@11.049,26.162 ; v1(14.224,28.321) 14.29,28.255 15.456,28.255 15.479,28.232 Q1.1 15.502,28.186 15.502,28.837 16.106,29.441 16.106,29.98 Q1.5
  Bottom Layer w0.254: v1(11.049,24.765) 13.462,27.178 13.462,27.559 v1(14.224,28.321)
SENSOR_VN: U5.8
SENSOR_VP: U5.5
TIN_N: C19.1 D6.1 L4.2 R14.1 U6.2 | length 7.9
  Top Layer w0.508: U6.2 38.739,15.354 38.739,16.895 C19.1 ; L4.2 39.083,21.557 39.083,20.222 D6.1 39.05,17.206 C19.1 ; R14.1 C19.1
TIN_P: C19.2 D6.2 L3.2 U6.3 | length 6.4
  Top Layer w0.508: L3.2 37.117,21.557 37.117,20.222 D6.2 37.15,17.206 C19.2 37.465,16.891 U6.3
USB-PWR-DM: D5.1 D5.6 U4.6 USB1.A7 USB1.B7 | length 15.4
  Top Layer w0.127: USB1.A7 12.148,32.444 12.148,33.23 12.319,33.401 12.753,33.401 12.99,33.164 12.99,32.444 USB1.B7 13.148,32.286 13.148,30.731 13.317,30.562 13.317,27.858 D5.6 13.269,27.493 12.954,27.178 12.954,23.114 14.859,21.209 U4.6
USB-PWR-DP: D5.3 D5.4 U4.5 USB1.A6 USB1.B6 | length 14.4
  Top Layer w0.127: USB1.B6 11.648,32.286 11.648,31.532 11.811,31.369 11.878,31.369 ; USB1.A6 12.49,32.286 12.49,31.54 12.319,31.369 11.878,31.369 ; U4.5 13.589,21.971 12.573,22.987 12.573,23.627 11.684,24.516 11.684,27.178 11.369,27.493 D5.4 D5.3 11.369,30.86 11.845,31.335 11.878,31.369
VCC: C2.1 C5.1 D1.2 D2.2 R3.1 U1.5 | length 35.5
  Top Layer w0.508: R3.1 55.245,6.486 56.07,7.312 56.07,9.906
  Top Layer w1.27: C5.1 56.07,9.906 72.39,9.906 74.405,9.906 ; 74.422,9.906 76.29,8.038 D2.2 D1.2
VCC_3V3: C11.2 C12.2 C20.1 C24.2 C25.2 D7.2 LS1.1 P3.1 P4.1 P5.3 P6.3 R1.1 R9.1 R10.1 R19.2 R20.2 R22.1 R23.1 R25.2 R26.2 R27.2 R32.1 SJ3.2 SJ3.3 U2.5 U3.5 U4.16 U6.4 U7.6 U7.9 | length 157.8
  Top Layer w0.508: R1.1 C12.2 4.211,22.753 C11.2 C11.2@4.826,23.622 ; U3.5 3.472,24.866 4.344,24.866 4.826,24.384 C11.2@4.826,23.622 ; U4.16 v2(8.509,24.511) 7.747,24.511 7.239,24.003 5.207,24.003 C11.2@4.826,23.622 ; v2(24.638,22.098) 24.613,22.098 24.277,21.762 23.734,21.762 23.688,21.716 23.688,20.889 24.511,20.066 25.489,20.066 26.416,19.139 v2(26.416,12.954) 26.416,16.256 26.479,16.319 33.464,16.319 34.353,15.43 36.114,15.43 U6.4
  Top Layer w0.762: v2(19.304,29.972) 19.33,29.998 19.51,29.998 LS1.1 ; R9.1 v2@24.638,22.352 ; v2(24.638,22.098) v2@24.638,22.352 ; R10.1 v2@24.638,22.352 ; R27.2 35.804,49.294 35.357,48.848 35.357,47.834 R26.2 35.294,44.214 36.696,42.812 42.512,42.812 43.93,44.23 P3.1 46.66,47.961 46.66,49.231 R25.2
  Bottom Layer w0.508: P5.3 17.907,3.175 22.225,3.175 22.606,3.556 SJ3.2 ; SJ3.3@23.47,4.445 26.416,4.445 ; v2(26.416,12.954) 26.416,4.445 ; P4.1@27.859,3.094 P4.1@28.003,3.238 ; P4.1@28.016,3.2 28.016,3.226 P4.1@28.003,3.238 ; R23.1@72.646,62.903 72.646,61.379 72.658,61.362 72.722,61.272 C25.2 75.548,61.163 75.579,61.163 R19.2 ; D7.2 R19.2 ; R20.2 R20.2@78.818,62.878 ; 80.05,65.799 80.05,69.317 80.596,69.863 81.612,69.863 82.15,69.325 U7.6 ; 80.088,65.799 80.977,64.91 ; 81.015,64.872 80.977,64.91 ; 26.416,4.445 26.518,4.445 27.661,3.302 P4.1 P4.1@28.003,3.238 ; R19.2 77.294,61.354 R20.2@78.818,62.878 ; R20.2@78.818,62.878 R32.1 80.977,63.767 80.977,64.91
  Bottom Layer w0.762: v2(8.509,24.511) 8.509,27.305 11.476,30.272 16.591,30.272 16.891,29.972 v2(19.304,29.972) 21.971,29.972 24.638,27.305 v2(24.638,22.098) ; P6.3 67.896,44.23 69.314,42.812 73.738,42.812 74.5,43.574 74.5,57.671 ; C25.2 C24.2 74.253,58.217 74.253,57.918 74.5,57.671 ; C24.2@74.5,58.179 74.5,57.671
VCC_IN: D1.1 D9.2 D10.2 P2.2 P2.4 P7.1 P7.3 R15.1 R31.1 | length 78.3
  Top Layer w0.508: R31.1 74.295,14.859 76.073,16.637 D9.2
  Top Layer w0.762: R15.1 33.528,9.906 35.56,7.874 35.56,2.54 37.211,0.889 v1(39.497,0.889)
  Bottom Layer w0.508: 84.582,0.889 84.709,0.762 86.995,0.762 87.122,0.889
  Bottom Layer w0.762: v1(39.497,0.889) 84.582,0.889 ; 87.122,0.883 87.896,0.877 P7.3
  other v2: 93.98,8.89 96.52,8.89 93.98,11.43 96.52,11.43 88.9,13.97 91.44,13.97 93.98,13.97 96.52,13.97 83.82,16.51 86.36,16.51 88.9,16.51 91.44,16.51 93.98,16.51 96.52,16.51 81.28,19.05 83.82,19.05 86.36,19.05 88.9,19.05 93.98,19.05 96.52,19.05 81.28,21.59 88.9,21.59 93.98,21.59 96.52,21.59 81.28,24.13 86.36,24.13 88.9,24.13 93.98,24.13 96.52,24.13 81.28,26.67 88.9,26.67 91.44,26.67 93.98,26.67 96.52,26.67 88.9,29.21 93.98,29.21 96.52,29.21 88.9,31.75 93.98,31.75 96.52,31.75 88.9,34.29 91.44,34.29 88.9,36.83 91.44,36.83
VUSB: D3.1 USB1.A4 USB1.A9 USB1.B4 USB1.B9 | length 20.6
  Top Layer w0.254: USB1.A9 9.792,32.388 9.792,33.27 10.069,33.547 ; USB1.B4 10.069,33.547 ; 10.603,33.909 10.414,33.909 10.069,33.564 10.069,33.547 ; 14.224,33.909 14.569,33.564 14.569,33.547 ; 14.56,33.555 14.569,33.547 ; USB1.B9 14.569,33.547 ; USB1.A4 14.846,32.388 14.846,33.27 14.569,33.547
  Top Layer w0.508: D3.1@2.694,30.253 4.953,32.512 5.461,32.512 6.858,33.909 6.858,34.417 7.62,35.179 9.333,35.179 10.603,33.909 14.224,33.909
pads on no net: A1.NC LS1.NC1 LS1.NC2 P1.CLIP1 P1.CLIP2 Q3.NC Q3.NC_1 SW1.NC1 SW1.NC2 U4.9 U4.10 U4.11 U4.12 U4.15 U5.26 U5.44 U5.45 U5.47 U5.48 U6.8 U7.MARK1 U7.MARK2 USB1.0 USB1.0_1 USB1.A8 USB1.B8
copper on no net:
  other v4: 3.4,3.4 96.6,3.4 3.4,36.6 83,36.6 96.6,36.6 54.5,47.5 96.5,47.5 54.5,74.5 96.5,74.5

## Polygon pours and split planes (outlines as drawn)
5V on Top Layer "Top Layer-5V" (solid, pour order 5): 44.831,13.97 45.466,13.97 45.974,13.462 45.974,10.16 45.593,9.779 45.593,6.985 45.339,6.731 44.577,6.731 44.323,6.985 44.323,13.462
NetC1_1 on Top Layer "Top Layer-NetC1_1" (solid, pour order 7): 47.625,6.731 46.863,6.731 46.609,6.985 46.609,9.779 46.863,10.033 47.879,10.033 48.26,10.414 48.768,10.414 50.546,8.636 50.546,7.493 50.292,7.239 48.133,7.239
GND on Top Layer "Top Layer-GND 2" (solid, remove dead copper, pour order 13): 51.608,77.392 51.608,42.436 99.392,42.436 99.392,77.392 87.708,77.392 84.134,73.818 66.88,73.818 63.306,77.392
GND on Top Layer "Top Layer-GND 3" (solid, remove dead copper, pour order 15): 34.288,70.104 34.288,42.418 48.512,42.418 48.512,70.104
GND on Top Layer "Top Layer-GND 3" (solid, remove dead copper, pour order 14): 34.288,70.104 34.288,42.418 48.512,42.418 48.512,70.104
GND on Top Layer "Top Layer-GND 1" (solid, remove dead copper, pour order 11): 0.508,0.508 0.508,39.497 100,39.497 100,0.508
NetC9_2 on Top Layer "Top Layer-NetC9_2" (solid, remove dead copper, pour order 8): 13.208,15.621 11.43,15.621 11.43,14.986 12.192,14.986 12.446,15.24 13.208,15.24 13.335,15.367 13.335,15.494
BED_IN on Top Layer "Top Layer-BED_IN" (solid, remove dead copper, pour order 10): 74.168,15.748 67.818,15.748 62.992,20.574 62.992,21.925 61.946,22.86 58.674,22.86 58.039,23.495 58.039,29.845 58.674,30.48 61.976,30.48 63.502,32.006 63.502,34.546 68.453,39.497 84.455,39.497 84.455,28.194 75.438,28.194 74.549,27.305 74.549,16.129
VCC on Top Layer "Top Layer-NetC5_1" (solid, remove dead copper, pour order 6): 56.261,8.763 56.896,9.398 56.896,10.16 56.515,10.541 50.165,10.541 49.911,10.287 49.911,9.525 50.8,8.636 50.8,7.493 51.054,7.239 51.308,7.239 51.562,7.493 51.562,8.382 51.943,8.763
VCC_IN on Top Layer "Top Layer-VCC_IN" (solid, remove dead copper, pour order 9): 88.011,0.508 88.011,12.573 86.614,13.97 76.454,13.97 74.803,15.621 74.803,27.178 75.565,27.94 83.566,27.94 84.582,28.956 84.582,39.497 99.492,39.497 99.568,0.508
GND on Bottom Layer "Bottom Layer-GND 1" (solid, remove dead copper, pour order 4): 51.608,77.392 51.608,42.436 99.392,42.436 99.392,77.392 87.708,77.392 84.134,73.818 66.88,73.818 63.306,77.392
GND on Bottom Layer "Top Layer-GND 3" (solid, remove dead copper, pour order 12): 34.288,70.104 34.288,42.418 48.512,42.418 48.512,70.104
BED_IN on Bottom Layer "Top Layer-BED_IN" (solid, remove dead copper, pour order 1): 74.549,15.748 67.31,15.748 62.992,20.066 62.992,21.898 61.916,22.86 58.674,22.86 58.039,23.495 58.039,29.845 58.674,30.48 61.976,30.48 63.502,32.006 63.502,34.546 68.58,39.624 84.455,39.624 84.455,28.194 75.438,28.194 74.549,27.305
VCC_IN on Bottom Layer "Top Layer-VCC_IN" (solid, remove dead copper, pour order 0): 86.233,0.508 88.011,2.286 88.011,12.573 86.614,13.97 76.454,13.97 74.803,15.621 74.803,27.178 75.565,27.94 83.566,27.94 84.582,28.956 84.582,39.497 99.492,39.497 99.568,0.508
GND on Bottom Layer "Bottom Layer-GND" (solid, remove dead copper, pour order 2): 57.912,30.226 58.42,30.734 62.23,30.734 63.246,31.75 70.993,39.497 0.508,39.497 0.508,0.508 85.852,0.508 87.884,2.54 87.757,12.446 86.487,13.716 76.327,13.716 74.549,15.494 67.056,15.494 61.722,20.828 58.381,20.828 57.912,21.336

## Keep-outs
Top Layer:
  region: 46.609,0.254
  region: 45.72,9.779 46.482,9.779 46.482,6.731 45.72,6.731

## Other copper
Top Layer:
  region: 58.166,4.267
  region net VCC: 76.544,8.038
  region net GND: 34.29,63.251

## Silkscreen, mask and mechanical layers (free items; w line width, h text height)
Top Overlay:
  region: 78.206,28.368 79.476,27.098 79.476,28.368
  lines w0.127: 33.78,40 100,40 ; 33.78,42 49,42 49,70.5 ; 51,70.5 51,42 100,42
  lines w0.2: 72.976,28.368 72.976,29.768 76.376,29.768 76.376,28.368 ; 79.476,28.368 79.476,18.368 69.876,18.368 69.876,28.368 79.476,28.368 ; 79.476,28.368 79.476,27.098 78.206,28.368 79.476,28.368
  lines w0.254: 30.429,18.039 31.445,18.039 ; 30.937,17.531 30.937,18.547 ; 44.704,18.039 45.72,18.039
  lines w0.8: 83.82,13.208 86.36,13.208 ; 89.32,13.208 91.86,13.208 ; 90.59,11.938 90.59,14.478
  text "1.29inch OLED / SSD1315 128x64" at 92.202,63 h1 r180
  text "RX" at 27.432,20.32 h0.91 r90
  text "TX" at 28.829,20.32 h0.91 r90
  text "12~50V" at 86.59,17.272 h2.8 r90
  text "Imax:18A" at 91.955,17.17 h2.17 r90
  text "OpenHeat" at 20.574,13.462 h2.9
  text "RST" at 2.794,12.7 h0.91
  text "v1.0" at 28.956,12.192 h0.91
  text "OLED" at 8.636,9.398 h0.91
  text "Encoder" at 27.432,9.398 h0.91
  text "OldGerman 2022/01" at 98.933,7.874 h1.5 r90
  text "PWM" at 56.261,5.08 h0.91
Bottom Overlay:
  lines w0.127: 33.78,40 100,40 ; 33.78,42 49,42 49,70.5 ; 51,70.5 51,42 100,42
  text "KEY / ECB / ECA" at 43.462,64.148 h0.91 r90
  text "GND / GND / 3V3" at 43.462,60.592 h0.91 r90
  text "GND / GND / GND" at 83.009,49.67 h0.91 r90
  text "3V3 / SDA / SCL" at 82.882,46.114 h0.91 r90
  text "TX" at 14.478,20.193 h0.91
  text "RX" at 14.478,15.875 h0.91
  text "OpenHeat" at 32.004,13.462 h2.9
  text "v1.0" at 23.749,12.192 h0.91
  text "3V3 / VCC* / 5V" at 20.574,5.842 h0.91 r270
  text "GND / GND / GND" at 7.493,5.08 h0.91 r270
  text "KEY / ECB / ECA" at 34.036,5.08 h0.91 r270
  text "VCC* / SDA / SCL" at 7.493,1.473 h0.91 r270
  text "GND / GND / 3V3" at 34.036,1.473 h0.91 r270
Mechanical 1:
  lines w0.508: 0,0 100,0 100,78 87.5,78 84,74.5 75.5,74.5 67,74.5 63.5,78 51,78 51,70.5 33.78,70.5 33.78,40 0,40 0,0
Mechanical 15:
  lines w0.127: 41.742,12.151 47.752,18.161 ; 41.742,38.903 47.752,32.893 ; 77.216,18.161 83.226,12.151 ; 77.216,32.893 83.226,38.903
  lines w0.508: 59,8 59,46 ; 79,32 93,32 93,15 128,15 ; 0,0 0,51 125,51 125,0 0,0 ; 2,2 2,49 123,49 123,2 2,2 ; 45,12 45,44.45 80,44.45 80,12 45,12

## Text inside footprints (layer, text, board x,y; h text height)
U7: Top Overlay "PCB EDGE" at 78.1,73.15 h0.81 r180